# KiCad board SweetBusiness.kicad_pcb (continued)
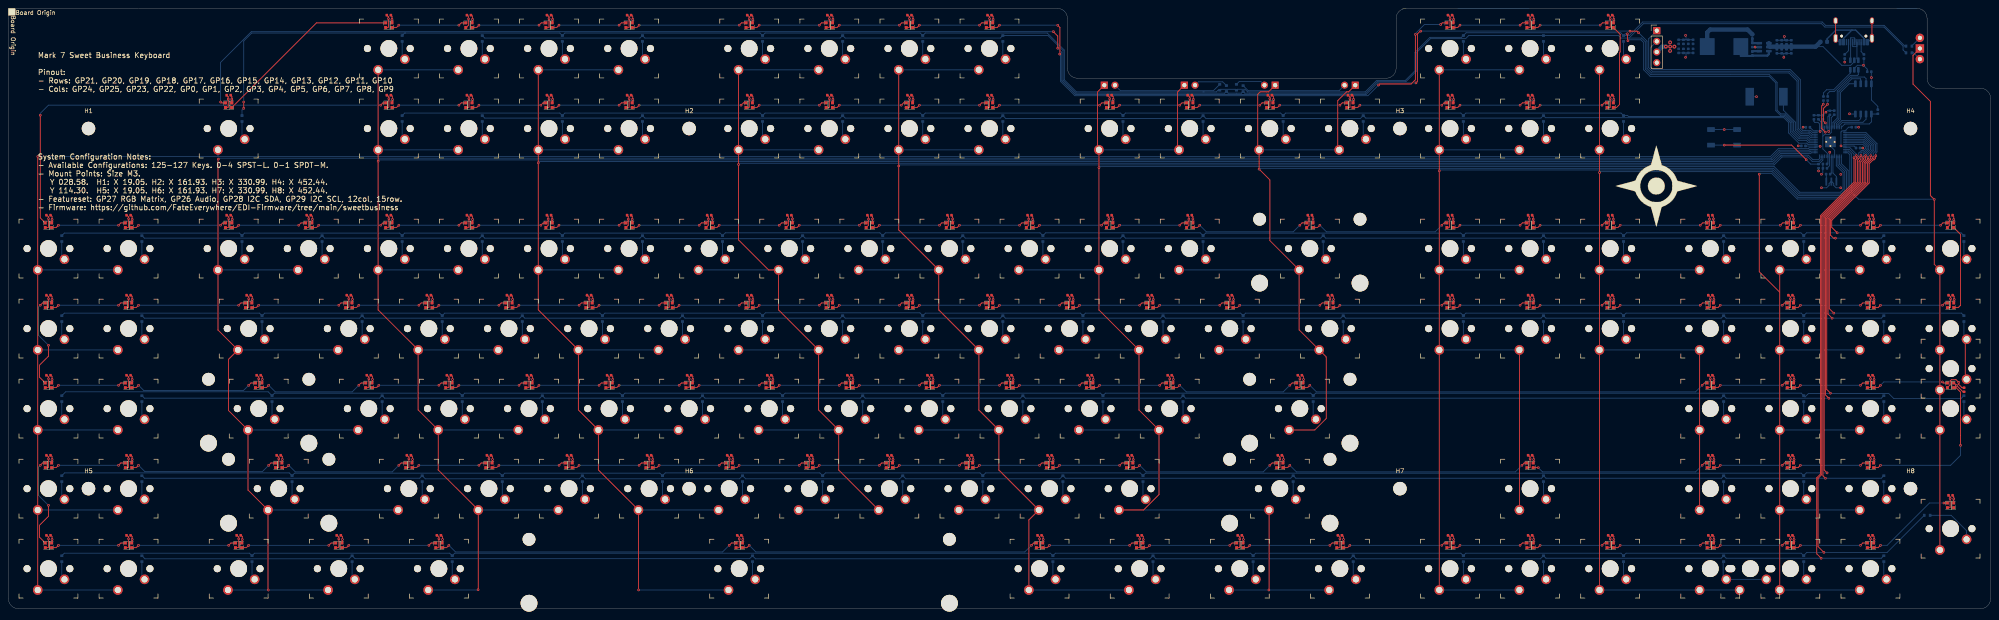
[diagram p0: board, top side]
## Placement (name value [footprint] x y rotation side) (continued)
LC96  100nF  [Passive_0402_1005Metric]  95.25 36.51 0 top
LC97  100nF  [Passive_0402_1005Metric]  114.3 36.51 0 top
LC98  100nF  [Passive_0402_1005Metric]  133.35 36.51 0 top
LC99  100nF  [Passive_0402_1005Metric]  152.4 36.51 0 top
LC100  100nF  [Passive_0402_1005Metric]  171.45 36.51 0 top
LC101  100nF  [Passive_0402_1005Metric]  190.5 36.51 0 top
LC102  100nF  [Passive_0402_1005Metric]  209.55 36.51 0 top
LC103  100nF  [Passive_0402_1005Metric]  228.6 36.51 0 top
LC104  100nF  [Passive_0402_1005Metric]  247.65 36.51 0 top
LC105  100nF  [Passive_0402_1005Metric]  266.7 36.51 0 top
LC106  100nF  [Passive_0402_1005Metric]  302.42 36.51 0 top
LC107  100nF  [Passive_0402_1005Metric]  361.95 36.51 0 top
LC108  100nF  [Passive_0402_1005Metric]  404.81 36.51 0 top
LC109  100nF  [Passive_0402_1005Metric]  423.86 36.51 0 top
LC110  100nF  [Passive_0402_1005Metric]  442.91 36.51 0 top
LC111  100nF  [Passive_0402_1005Metric]  9.53 17.46 180 top
LC112  100nF  [Passive_0402_1005Metric]  28.58 17.46 180 top
LC113  100nF  [Passive_0402_1005Metric]  54.77 17.46 180 top
LC114  100nF  [Passive_0402_1005Metric]  78.58 17.46 180 top
LC115  100nF  [Passive_0402_1005Metric]  102.39 17.46 180 top
LC116  100nF  [Passive_0402_1005Metric]  173.83 17.46 180 top
LC117  100nF  [Passive_0402_1005Metric]  245.27 17.46 180 top
LC118  100nF  [Passive_0402_1005Metric]  269.08 17.46 180 top
LC119  100nF  [Passive_0402_1005Metric]  292.89 17.46 180 top
LC120  100nF  [Passive_0402_1005Metric]  316.71 17.46 180 top
LC121  100nF  [Passive_0402_1005Metric]  342.9 17.46 180 top
LC122  100nF  [Passive_0402_1005Metric]  361.95 17.46 180 top
LC123  100nF  [Passive_0402_1005Metric]  381 17.46 180 top
LC124  100nF  [Passive_0402_1005Metric]  404.81 17.46 180 top
LC125  100nF  [Passive_0402_1005Metric]  423.86 17.46 180 top
LC126  100nF  [Passive_0402_1005Metric]  442.91 17.46 180 top
LC127  100nF  [Passive_0402_1005Metric]  461.96 26.99 180 top
LD1  WS2812C  [WS2812C_2020]  52.39 119.86 0 top
LD2  WS2812C  [WS2812C_2020]  90.49 138.91 0 top
LD3  WS2812C  [WS2812C_2020]  109.54 138.91 0 top
LD4  WS2812C  [WS2812C_2020]  128.59 138.91 0 top
LD5  WS2812C  [WS2812C_2020]  147.64 138.91 0 top
LD6  WS2812C  [WS2812C_2020]  176.21 138.91 0 top
LD7  WS2812C  [WS2812C_2020]  195.26 138.91 0 top
LD8  WS2812C  [WS2812C_2020]  214.31 138.91 0 top
LD9  WS2812C  [WS2812C_2020]  233.36 138.91 0 top
LD10  WS2812C  [WS2812C_2020]  342.9 138.91 0 top
LD11  WS2812C  [WS2812C_2020]  361.95 138.91 0 top
LD12  WS2812C  [WS2812C_2020]  381 138.91 0 top
LD13  WS2812C  [WS2812C_2020]  90.49 119.86 180 top
LD14  WS2812C  [WS2812C_2020]  109.54 119.86 180 top
LD15  WS2812C  [WS2812C_2020]  128.59 119.86 180 top
LD16  WS2812C  [WS2812C_2020]  147.64 119.86 180 top
LD17  WS2812C  [WS2812C_2020]  176.21 119.86 180 top
LD18  WS2812C  [WS2812C_2020]  195.26 119.86 180 top
LD19  WS2812C  [WS2812C_2020]  214.31 119.86 180 top
LD20  WS2812C  [WS2812C_2020]  233.36 119.86 180 top
LD21  WS2812C  [WS2812C_2020]  261.94 119.86 180 top
LD22  WS2812C  [WS2812C_2020]  280.99 119.86 180 top
LD23  WS2812C  [WS2812C_2020]  300.04 119.86 180 top
LD24  WS2812C  [WS2812C_2020]  319.09 119.86 180 top
LD25  WS2812C  [WS2812C_2020]  342.9 119.86 180 top
LD26  WS2812C  [WS2812C_2020]  361.95 119.86 180 top
LD27  WS2812C  [WS2812C_2020]  381 119.86 180 top
LD28  WS2812C  [WS2812C_2020]  9.53 91.28 0 top
LD29  WS2812C  [WS2812C_2020]  28.58 91.28 0 top
LD30  WS2812C  [WS2812C_2020]  52.39 91.28 0 top
LD31  WS2812C  [WS2812C_2020]  71.44 91.28 0 top
LD32  WS2812C  [WS2812C_2020]  90.49 91.28 0 top
LD33  WS2812C  [WS2812C_2020]  109.54 91.28 0 top
LD34  WS2812C  [WS2812C_2020]  128.59 91.28 0 top
LD35  WS2812C  [WS2812C_2020]  147.64 91.28 0 top
LD36  WS2812C  [WS2812C_2020]  166.69 91.28 0 top
LD37  WS2812C  [WS2812C_2020]  185.74 91.28 0 top
LD38  WS2812C  [WS2812C_2020]  204.79 91.28 0 top
LD39  WS2812C  [WS2812C_2020]  223.84 91.28 0 top
LD40  WS2812C  [WS2812C_2020]  242.89 91.28 0 top
LD41  WS2812C  [WS2812C_2020]  261.94 91.28 0 top
LD42  WS2812C  [WS2812C_2020]  280.99 91.28 0 top
LD43  WS2812C  [WS2812C_2020]  309.56 91.28 0 top
LD44  WS2812C  [WS2812C_2020]  342.9 91.28 0 top
LD45  WS2812C  [WS2812C_2020]  361.95 91.28 0 top
LD46  WS2812C  [WS2812C_2020]  381 91.28 0 top
LD47  WS2812C  [WS2812C_2020]  404.81 91.28 0 top
LD48  WS2812C  [WS2812C_2020]  423.86 91.28 0 top
LD49  WS2812C  [WS2812C_2020]  442.91 91.28 0 top
LD50  WS2812C  [WS2812C_2020]  461.96 91.28 0 top
LD51  WS2812C  [WS2812C_2020]  9.53 72.23 180 top
LD52  WS2812C  [WS2812C_2020]  28.58 72.23 180 top
LD53  WS2812C  [WS2812C_2020]  57.15 72.23 180 top
LD54  WS2812C  [WS2812C_2020]  80.96 72.23 180 top
LD55  WS2812C  [WS2812C_2020]  100.01 72.23 180 top
LD56  WS2812C  [WS2812C_2020]  119.06 72.23 180 top
LD57  WS2812C  [WS2812C_2020]  138.11 72.23 180 top
LD58  WS2812C  [WS2812C_2020]  157.16 72.23 180 top
LD59  WS2812C  [WS2812C_2020]  176.21 72.23 180 top
LD60  WS2812C  [WS2812C_2020]  195.26 72.23 180 top
LD61  WS2812C  [WS2812C_2020]  214.31 72.23 180 top
LD62  WS2812C  [WS2812C_2020]  233.36 72.23 180 top
LD63  WS2812C  [WS2812C_2020]  252.41 72.23 180 top
LD64  WS2812C  [WS2812C_2020]  271.46 72.23 180 top
LD65  WS2812C  [WS2812C_2020]  290.51 72.23 180 top
LD66  WS2812C  [WS2812C_2020]  314.32 72.23 180 top
LD67  WS2812C  [WS2812C_2020]  342.9 72.23 180 top
LD68  WS2812C  [WS2812C_2020]  361.95 72.23 180 top
LD69  WS2812C  [WS2812C_2020]  381 72.23 180 top
LD70  WS2812C  [WS2812C_2020]  404.81 72.23 180 top
LD71  WS2812C  [WS2812C_2020]  423.86 72.23 180 top
LD72  WS2812C  [WS2812C_2020]  442.91 72.23 180 top
LD73  WS2812C  [WS2812C_2020]  461.96 72.23 180 top
LD74  WS2812C  [WS2812C_2020]  9.53 53.18 0 top
LD75  WS2812C  [WS2812C_2020]  28.58 53.18 0 top
LD76  WS2812C  [WS2812C_2020]  59.53 53.18 0 top
LD77  WS2812C  [WS2812C_2020]  85.72 53.18 0 top
LD78  WS2812C  [WS2812C_2020]  104.78 53.18 0 top
LD79  WS2812C  [WS2812C_2020]  123.82 53.18 0 top
LD80  WS2812C  [WS2812C_2020]  142.88 53.18 0 top
LD81  WS2812C  [WS2812C_2020]  161.93 53.18 0 top
LD82  WS2812C  [WS2812C_2020]  180.97 53.18 0 top
LD83  WS2812C  [WS2812C_2020]  200.02 53.18 0 top
LD84  WS2812C  [WS2812C_2020]  219.07 53.18 0 top
LD85  WS2812C  [WS2812C_2020]  238.12 53.18 0 top
LD86  WS2812C  [WS2812C_2020]  257.18 53.18 0 top
LD87  WS2812C  [WS2812C_2020]  276.23 53.18 0 top
LD88  WS2812C  [WS2812C_2020]  307.18 53.18 0 top
LD89  WS2812C  [WS2812C_2020]  404.81 53.18 0 top
LD90  WS2812C  [WS2812C_2020]  423.86 53.18 0 top
LD91  WS2812C  [WS2812C_2020]  442.91 53.18 0 top
LD92  WS2812C  [WS2812C_2020]  461.96 53.18 0 top
LD93  WS2812C  [WS2812C_2020]  9.53 34.13 180 top
LD94  WS2812C  [WS2812C_2020]  28.58 34.13 180 top
LD95  WS2812C  [WS2812C_2020]  64.29 34.13 180 top
LD96  WS2812C  [WS2812C_2020]  95.25 34.13 180 top
LD97  WS2812C  [WS2812C_2020]  114.3 34.13 180 top
LD98  WS2812C  [WS2812C_2020]  133.35 34.13 180 top
LD99  WS2812C  [WS2812C_2020]  152.4 34.13 180 top
LD100  WS2812C  [WS2812C_2020]  171.45 34.13 180 top
LD101  WS2812C  [WS2812C_2020]  190.5 34.13 180 top
LD102  WS2812C  [WS2812C_2020]  209.55 34.13 180 top
LD103  WS2812C  [WS2812C_2020]  228.6 34.13 180 top
LD104  WS2812C  [WS2812C_2020]  247.65 34.13 180 top
LD105  WS2812C  [WS2812C_2020]  266.7 34.13 180 top
LD106  WS2812C  [WS2812C_2020]  302.42 34.13 180 top
LD107  WS2812C  [WS2812C_2020]  361.95 34.13 180 top
LD108  WS2812C  [WS2812C_2020]  404.81 34.13 180 top
LD109  WS2812C  [WS2812C_2020]  423.86 34.13 180 top
LD110  WS2812C  [WS2812C_2020]  442.91 34.13 180 top
LD111  WS2812C  [WS2812C_2020]  9.53 15.08 0 top
LD112  WS2812C  [WS2812C_2020]  28.58 15.08 0 top
LD113  WS2812C  [WS2812C_2020]  54.77 15.08 0 top
LD114  WS2812C  [WS2812C_2020]  78.58 15.08 0 top
LD115  WS2812C  [WS2812C_2020]  102.39 15.08 0 top
LD116  WS2812C  [WS2812C_2020]  173.83 15.08 0 top
LD117  WS2812C  [WS2812C_2020]  245.27 15.08 0 top
LD118  WS2812C  [WS2812C_2020]  269.08 15.08 0 top
LD119  WS2812C  [WS2812C_2020]  292.89 15.08 0 top
LD120  WS2812C  [WS2812C_2020]  316.71 15.08 0 top
LD121  WS2812C  [WS2812C_2020]  342.9 15.08 0 top
LD122  WS2812C  [WS2812C_2020]  361.95 15.08 0 top
LD123  WS2812C  [WS2812C_2020]  381 15.08 0 top
LD124  WS2812C  [WS2812C_2020]  404.81 15.08 0 top
LD125  WS2812C  [WS2812C_2020]  423.86 15.08 0 top
LD126  WS2812C  [WS2812C_2020]  442.91 15.08 0 top
LD127  WS2812C  [WS2812C_2020]  461.96 24.61 0 top
LP1  10uH  [L_Wuerth_HCI-1040]  408.08 133.79 180 bottom
RC1  5k1  [Passive_0402_1005Metric]  441.36 131.45 90 bottom
RC2  5k1  [Passive_0402_1005Metric]  436.78 131.45 270 bottom
RD1  27  [Passive_0402_1005Metric]  432.75 121.44 270 bottom
RD2  27  [Passive_0402_1005Metric]  431.73 121.44 270 bottom
REF**  -  [OSHW-Symbol_13.4x12mm_SilkScreen]  345.28 100.81 180 bottom
RF1  1k  [Passive_0402_1005Metric]  444.66 118.3 90 bottom
RP1  100K  [Passive_0402_1005Metric]  414.81 136.21 270 bottom
RP2  22.1K  [Passive_0402_1005Metric]  414.81 134.18 270 bottom
RR1  1k  [Passive_0402_1005Metric]  430.56 105.35 90 bottom
RX2  1k  [Passive_0402_1005Metric]  432.85 103.44 180 bottom
S2  RESET  [SW_SPST_SKQG_WithoutStem]  408.08 112.2 180 bottom
STB0  -  [Stabilizer_Cherry_MX_2.00u]  59.53 47.62 0 top
STB1  -  [Stabilizer_Cherry_MX_2.00u]  64.29 28.58 0 top
STB2  -  [Stabilizer_Cherry_MX_2.00u]  309.56 85.73 0 top
STB3  -  [Stabilizer_Cherry_MX_2.00u]  307.18 47.62 0 top
STB4  -  [Stabilizer_Cherry_MX_2.00u]  302.42 28.58 0 top
STB6  -  [Stabilizer_Cherry_MX_6.25u]  173.83 9.53 0 top
SWA1  SW_SPDT  [KeyToggle-SPDT]  460.16 133.35 180 top
TX0  Transducer  [Buzzer_CUI_CPT-9019S-SMT]  418.2 121.88 180 bottom
U0  RP2040  [QFN-56-RP2040]  433.39 111.12 180 bottom
U1  MT2492  [SOT-23-6]  417.61 133.67 0 bottom
U2  W25Q128JVS  [SOIC-8_5.23x5.23mm_P1.27mm]  441.23 121.35 90 bottom
U3  USBLC6-2SC6  [SOT-23-6]  439.07 129.41 90 bottom
Y0  CSTCE12M0G55-R0  [Resonator_SMD_Murata_CSTxExxV-3Pin_3.0x1.1mm]  433.61 101.66 180 bottom

## Library data of the parts
C1-C7 C10 C11 CF1 = -: LCSC: C1525; Field5: REF**
C8 C9 = -: LCSC: C52923; Field5: REF**
CP1 = -: LCSC: C1525
CP2-CP17 = -: LCSC: C415703
D1-D127 DA1 DA2 DT1-DT4 = -: LCSC: C2802290
F1 = -: LCSC: C207011
H1-H8 = -: Description: Mounting Hole without connection
J2 = -: Description: Generic connector, single row, 01x04, script generated (kicad-library-utils/schlib/autogen/connector/)
J4 = -: LCSC: C167321
LC1-LC127 = -: LCSC: C307331; Field5: REF**
LD1-LD127 = -: Description: RGB LED with integrated controller; LCSC: C965556
LP1 = -: Description: Inductor; LCSC: C5189958
RC1 RC2 RF1 RR1 RX2 = -: LCSC: C25905; Field5: REF**
RD1 RD2 = -: LCSC: C413051; Field5: REF**
RP1 = -: LCSC: C25741
RP2 = -: LCSC: C43473
S2 = -: LCSC: C139779
SWA1 = -: Description: Switch, single pole double throw
TX0 = -: LCSC: C391035
U0 = -: LCSC: C2040
U1 = -: LCSC: C89358
U2 = -: Description: 128Mb Serial Flash Memory, Standard/Dual/Quad SPI, SOIC-8; LCSC: C97521
U3 = -: Description: Very low capacitance ESD protection diode, 2 data-line, SOT-23-6; LCSC: C2827654
Y0 = -: Description: Three pin crystal, GND on pin 2, small symbol; LCSC: C91581

## Footprints (pads in the part's own frame, mm; a bottom-side part is the same pattern mirrored in y, then rotated)
Buzzer_CUI_CPT-9019S-SMT
  rect 2x4.2 smd: 1(-4,0) 2(4,0)
D_SOD-523
  rect 0.6x0.7 smd: 1(-0.7,0) 2(0.7,0)
Fuse_0603_1608Metric
  rrect 0.875x0.95 smd: 1(-0.787,0) 2(0.787,0)
KeyToggle-SPDT
  round 2 hole 1: 1(5.492,-2.54) 3(5.492,2.54)
  rect 2x2 hole 1: 2(5.492,0)
L_Wuerth_HCI-1040
  rect 3.5x4 smd: 1(-4,0) 2(4,0)
MountingHole_3.2mm_M3
  round 3.2 hole 3.2 unplated: (0,0)
Passive_0402_1005Metric
  rrect 0.59x0.64 smd: 1(-0.485,0) 2(0.485,0)
PinHeader_1x02_P2.54mm_Vertical
  rect 1.7x1.7 hole 1: 1(0,0)
  oval 1.7x1.7 hole 1: 2(0,-2.54)
PinHeader_1x04_P2.54mm_Vertical
  rect 1.7x1.7 hole 1: 1(0,0)
  oval 1.7x1.7 hole 1: 2(0,-2.54) 3(0,-5.08) 4(0,-7.62)
QFN-56-RP2040
  rrect 1.084x1.084 smd: (-0.637,-0.637) (-0.637,0.637) (0.637,-0.637) (0.637,0.637)
  rrect 0.875x0.2 smd: 1(-3.438,2.6) 2(-3.438,2.2) 3(-3.438,1.8) 4(-3.438,1.4) 5(-3.438,1) 6(-3.438,0.6) 7(-3.438,0.2) 8(-3.438,-0.2) 9(-3.438,-0.6) 10(-3.438,-1) 11(-3.438,-1.4) 12(-3.438,-1.8) 13(-3.438,-2.2) 14(-3.438,-2.6) 29(3.438,-2.6) 30(3.438,-2.2) 31(3.438,-1.8) 32(3.438,-1.4) 33(3.438,-1) 34(3.438,-0.6) 35(3.438,-0.2) 36(3.438,0.2) 37(3.438,0.6) 38(3.438,1) 39(3.438,1.4) 40(3.438,1.8) 41(3.438,2.2) 42(3.438,2.6)
  rrect 0.2x0.875 smd: 15(-2.6,-3.438) 16(-2.2,-3.438) 17(-1.8,-3.438) 18(-1.4,-3.438) 19(-1,-3.438) 20(-0.6,-3.438) 21(-0.2,-3.438) 22(0.2,-3.438) 23(0.6,-3.438) 24(1,-3.438) 25(1.4,-3.438) 26(1.8,-3.438) 27(2.2,-3.438) 28(2.6,-3.438) 43(2.6,3.438) 44(2.2,3.438) 45(1.8,3.438) 46(1.4,3.438) 47(1,3.438) 48(0.6,3.438) 49(0.2,3.438) 50(-0.2,3.438) 51(-0.6,3.438) 52(-1,3.438) 53(-1.4,3.438) 54(-1.8,3.438) 55(-2.2,3.438) 56(-2.6,3.438)
  round 0.5 hole 0.3: 57(-1,0) 57(0,-1) 57(0,1) 57(1,0)
  rect 2.55x2.55 smd: 57(0,0)
Resonator_SMD_Murata_CSTxExxV-3Pin_3.0x1.1mm
  rect 0.4x1.9 smd: 1(-1.2,0) 2(0,0) 3(1.2,0)
SOIC-8_5.23x5.23mm_P1.27mm
  rrect 1.6x0.6 smd: 1(-3.6,1.905) 2(-3.6,0.635) 3(-3.6,-0.635) 4(-3.6,-1.905) 5(3.6,-1.905) 6(3.6,-0.635) 7(3.6,0.635) 8(3.6,1.905)
SOT-23-6
  rrect 1.325x0.6 smd: 1(-1.137,0.95) 2(-1.137,0) 3(-1.137,-0.95) 4(1.137,-0.95) 5(1.137,0) 6(1.137,0.95)
Stabilizer_Cherry_MX_2.00u
  round 3.048 hole 3.048 unplated: (-11.938,6.985) (11.938,6.985)
  round 3.988 hole 3.988 unplated: (-11.938,-8.225) (11.938,-8.225)
Stabilizer_Cherry_MX_6.25u
  round 3.048 hole 3.048 unplated: (-50,6.985) (50,6.985)
  round 3.988 hole 3.988 unplated: (-50,-8.225) (50,-8.225)
SW_MX
  round 1.702 hole 1.702 unplated: (-5.08,0) (5.08,0)
  round 3.988 hole 3.988 unplated: (0,0)
  round 2.286 hole 1.499: 1(2.54,5.08) 2(-3.81,2.54)
SW_MX#2
  round 1.702 hole 1.702 unplated: (-5.08,0)
  round 3.988 hole 3.988 unplated: (0,0)
  round 2.286 hole 1.499: 1(2.54,5.08) 2(-3.81,2.54)
SW_MX#3
  oval 2.337x1.702 hole 2.337x1.702 unplated: (-4.762,0) (4.75,-0.01)
  round 3.988 hole 3.988 unplated: (0,0)
  round 2.286 hole 1.499: 1(2.54,5.08) 2(-3.81,2.54)
SW_MX#4
  round 3.988 hole 3.988 unplated: (0,0)
  round 1.702 hole 1.702 unplated: (5.08,0)
  round 2.286 hole 1.499: 1(2.54,5.08) 2(-3.81,2.54)
SW_SPST_SKQG_WithoutStem
  rect 1.8x1.1 smd: 1(-3.1,1.85) 1(3.1,1.85) 2(-3.1,-1.85) 2(3.1,-1.85)
USB_C_Receptacle_HRO_TYPE-C-31-M-12
  round 0.65 hole 0.65 unplated: (-2.89,2.6) (2.89,2.6)
  rect 0.6x1.45 smd: A1(-3.25,4.045) A4(-2.45,4.045) A9(2.45,4.045) A12(3.25,4.045) B1(3.25,4.045) B4(2.45,4.045) B9(-2.45,4.045) B12(-3.25,4.045)
  rect 0.3x1.45 smd: A5(-1.25,4.045) A6(-0.25,4.045) A7(0.25,4.045) A8(1.25,4.045) B5(1.75,4.045) B6(0.75,4.045) B7(-0.75,4.045) B8(-1.75,4.045)
  oval 1x1.6 hole 0.6x1.2: S1(-4.32,-1.05) S1(4.32,-1.05)
  oval 1x2.1 hole 0.6x1.7: S1(-4.32,3.13) S1(4.32,3.13)
WS2812C_2020
  rect 0.7x0.7 smd: 1(0.75,-0.55) 2(0.75,0.55) 3(-0.75,0.55) 4(-0.75,-0.55)

## Nets
+1V1: C9.1 C10.1 C11.1 U0.23 U0.45 U0.50
+3V3: C1.1 C2.1 C3.1 C4.1 C5.1 C6.1 C7.1 C8.1 CF1.1 CP10.1 CP11.1 CP12.1 CP13.1 CP14.1 CP15.1 CP16.1 CP17.1 J2.3 LC1.2 LC2.2 LC3.2 LC4.2 LC5.2 LC6.2 LC7.2 LC8.2 LC9.2 LC10.2 LC11.2 LC12.2 LC13.2 LC14.2 LC15.2 LC16.2 LC17.2 LC18.2 LC19.2 LC20.2 LC21.2 LC22.2 LC23.2 LC24.2 LC25.2 LC26.2 LC27.2 LC28.2 LC29.2 LC30.2 LC31.2 LC32.2 LC33.2 LC34.2 LC35.2 LC36.2 LC37.2 LC38.2 LC39.2 LC40.2 LC41.2 LC42.2 LC43.2 LC44.2 LC45.2 LC46.2 LC47.2 LC48.2 LC49.2 LC50.2 LC51.2 LC52.2 LC53.2 LC54.2 LC55.2 LC56.2 LC57.2 LC58.2 LC59.2 LC60.2 LC61.2 LC62.2 LC63.2 LC64.2 LC65.2 LC66.2 LC67.2 LC68.2 LC69.2 LC70.2 LC71.2 LC72.2 LC73.2 LC74.2 LC75.2 LC76.2 LC77.2 LC78.2 LC79.2 LC80.2 LC81.2 LC82.2 LC83.2 LC84.2 LC85.2 LC86.2 LC87.2 LC88.2 LC89.2 LC90.2 LC91.2 LC92.2 LC93.2 LC94.2 LC95.2 LC96.2 LC97.2 LC98.2 LC99.2 LC100.2 LC101.2 LC102.2 LC103.2 LC104.2 LC105.2 LC106.2 LC107.2 LC108.2 LC109.2 LC110.2 LC111.2 LC112.2 LC113.2 LC114.2 LC115.2 LC116.2 LC117.2 LC118.2 LC119.2 LC120.2 LC121.2 LC122.2 LC123.2 LC124.2 LC125.2 LC126.2 LC127.2 LD1.4 LD2.4 LD3.4 LD4.4 LD5.4 LD6.4 LD7.4 LD8.4 LD9.4 LD10.4 LD11.4 LD12.4 LD13.4 LD14.4 LD15.4 LD16.4 LD17.4 LD18.4 LD19.4 LD20.4 LD21.4 LD22.4 LD23.4 LD24.4 LD25.4 LD26.4 LD27.4 LD28.4 LD29.4 LD30.4 LD31.4 LD32.4 LD33.4 LD34.4 LD35.4 LD36.4 LD37.4 LD38.4 LD39.4 LD40.4 LD41.4 LD42.4 LD43.4 LD44.4 LD45.4 LD46.4 LD47.4 LD48.4 LD49.4 LD50.4 LD51.4 LD52.4 LD53.4 LD54.4 LD55.4 LD56.4 LD57.4 LD58.4 LD59.4 LD60.4 LD61.4 LD62.4 LD63.4 LD64.4 LD65.4 LD66.4 LD67.4 LD68.4 LD69.4 LD70.4 LD71.4 LD72.4 LD73.4 LD74.4 LD75.4 LD76.4 LD77.4 LD78.4 LD79.4 LD80.4 LD81.4 LD82.4 LD83.4 LD84.4 LD85.4 LD86.4 LD87.4 LD88.4 LD89.4 LD90.4 LD91.4 LD92.4 LD93.4 LD94.4 LD95.4 LD96.4 LD97.4 LD98.4 LD99.4 LD100.4 LD101.4 LD102.4 LD103.4 LD104.4 LD105.4 LD106.4 LD107.4 LD108.4 LD109.4 LD110.4 LD111.4 LD112.4 LD113.4 LD114.4 LD115.4 LD116.4 LD117.4 LD118.4 LD119.4 LD120.4 LD121.4 LD122.4 LD123.4 LD124.4 LD125.4 LD126.4 LD127.4 LP1.2 RF1.2 RP1.1 RR1.1 U0.1 U0.10 U0.22 U0.33 U0.42 U0.43 U0.44 U0.48 U0.49 U2.8
+5v: F1.1 J4.A4 J4.A9 J4.B4 J4.B9
GND: C1.2 C2.2 C3.2 C4.2 C5.2 C6.2 C7.2 C8.2 C9.2 C10.2 C11.2 CF1.2 CP2.1 CP3.1 CP4.1 CP5.1 CP6.1 CP7.1 CP8.1 CP9.1 CP10.2 CP11.2 CP12.2 CP13.2 CP14.2 CP15.2 CP16.2 CP17.2 J2.4 J4.A1 J4.A12 J4.B1 J4.B12 J4.S1 LC1.1 LC2.1 LC3.1 LC4.1 LC5.1 LC6.1 LC7.1 LC8.1 LC9.1 LC10.1 LC11.1 LC12.1 LC13.1 LC14.1 LC15.1 LC16.1 LC17.1 LC18.1 LC19.1 LC20.1 LC21.1 LC22.1 LC23.1 LC24.1 LC25.1 LC26.1 LC27.1 LC28.1 LC29.1 LC30.1 LC31.1 LC32.1 LC33.1 LC34.1 LC35.1 LC36.1 LC37.1 LC38.1 LC39.1 LC40.1 LC41.1 LC42.1 LC43.1 LC44.1 LC45.1 LC46.1 LC47.1 LC48.1 LC49.1 LC50.1 LC51.1 LC52.1 LC53.1 LC54.1 LC55.1 LC56.1 LC57.1 LC58.1 LC59.1 LC60.1 LC61.1 LC62.1 LC63.1 LC64.1 LC65.1 LC66.1 LC67.1 LC68.1 LC69.1 LC70.1 LC71.1 LC72.1 LC73.1 LC74.1 LC75.1 LC76.1 LC77.1 LC78.1 LC79.1 LC80.1 LC81.1 LC82.1 LC83.1 LC84.1 LC85.1 LC86.1 LC87.1 LC88.1 LC89.1 LC90.1 LC91.1 LC92.1 LC93.1 LC94.1 LC95.1 LC96.1 LC97.1 LC98.1 LC99.1 LC100.1 LC101.1 LC102.1 LC103.1 LC104.1 LC105.1 LC106.1 LC107.1 LC108.1 LC109.1 LC110.1 LC111.1 LC112.1 LC113.1 LC114.1 LC115.1 LC116.1 LC117.1 LC118.1 LC119.1 LC120.1 LC121.1 LC122.1 LC123.1 LC124.1 LC125.1 LC126.1 LC127.1 LD1.2 LD2.2 LD3.2 LD4.2 LD5.2 LD6.2 LD7.2 LD8.2 LD9.2 LD10.2 LD11.2 LD12.2 LD13.2 LD14.2 LD15.2 LD16.2 LD17.2 LD18.2 LD19.2 LD20.2 LD21.2 LD22.2 LD23.2 LD24.2 LD25.2 LD26.2 LD27.2 LD28.2 LD29.2 LD30.2 LD31.2 LD32.2 LD33.2 LD34.2 LD35.2 LD36.2 LD37.2 LD38.2 LD39.2 LD40.2 LD41.2 LD42.2 LD43.2 LD44.2 LD45.2 LD46.2 LD47.2 LD48.2 LD49.2 LD50.2 LD51.2 LD52.2 LD53.2 LD54.2 LD55.2 LD56.2 LD57.2 LD58.2 LD59.2 LD60.2 LD61.2 LD62.2 LD63.2 LD64.2 LD65.2 LD66.2 LD67.2 LD68.2 LD69.2 LD70.2 LD71.2 LD72.2 LD73.2 LD74.2 LD75.2 LD76.2 LD77.2 LD78.2 LD79.2 LD80.2 LD81.2 LD82.2 LD83.2 LD84.2 LD85.2 LD86.2 LD87.2 LD88.2 LD89.2 LD90.2 LD91.2 LD92.2 LD93.2 LD94.2 LD95.2 LD96.2 LD97.2 LD98.2 LD99.2 LD100.2 LD101.2 LD102.2 LD103.2 LD104.2 LD105.2 LD106.2 LD107.2 LD108.2 LD109.2 LD110.2 LD111.2 LD112.2 LD113.2 LD114.2 LD115.2 LD116.2 LD117.2 LD118.2 LD119.2 LD120.2 LD121.2 LD122.2 LD123.2 LD124.2 LD125.2 LD126.2 LD127.2 RC1.1 RC2.2 RP2.2 S2.1 TX0.2 U0.19 U0.57 U1.2 U2.4 U3.2 Y0.2
VBUS: CP2.2 CP3.2 CP4.2 CP5.2 CP6.2 CP7.2 CP8.2 CP9.2 F1.2 U1.4 U1.5 U3.5
0: D28.1 D30.1 D32.1 D34.1 D36.1 D38.1 D40.1 D42.1 D44.1 D46.1 D48.1 D50.1 U0.2
1: D29.1 D31.1 D33.1 D35.1 D37.1 D39.1 D41.1 D43.1 D45.1 D47.1 D49.1 U0.3
2: D51.1 D53.1 D55.1 D57.1 D59.1 D61.1 D63.1 D65.1 D67.1 D69.1 D71.1 D73.1 U0.4
3: D52.1 D54.1 D56.1 D58.1 D60.1 D62.1 D64.1 D66.1 D68.1 D70.1 D72.1 U0.5
4: D74.1 D76.1 D78.1 D80.1 D82.1 D84.1 D86.1 D88.1 D90.1 D92.1 U0.6
5: D75.1 D77.1 D79.1 D81.1 D83.1 D85.1 D87.1 D89.1 D91.1 U0.7
6: D93.1 D95.1 D97.1 D99.1 D101.1 D103.1 D105.1 D109.1 U0.8
7: D94.1 D96.1 D98.1 D100.1 D102.1 D104.1 D106.1 D107.1 D108.1 D110.1 U0.9
8: D111.1 D113.1 D115.1 D117.1 D119.1 D121.1 D123.1 D125.1 D127.1 U0.11
9: D112.1 D114.1 D116.1 D118.1 D120.1 D122.1 D124.1 D126.1 U0.12
10: K50.1 K73.1 K73.2.1 K92.1 K127.1 SWA1.2 U0.13
11: K48.1 K49.1 K71.1 K72.1 K90.1 K91.1 K109.1 K110.1 K125.1 K126.1 U0.14
12: K12.1 K27.1 K46.1 K47.1 K69.1 K70.1 K89.1 K108.1 K123.1 K124.1 K124.2.1 U0.15
13: K10.1 K11.1 K25.1 K26.1 K44.1 K45.1 K67.1 K68.1 K107.1 K121.1 K122.1 U0.16
14: K23.1 K24.1 K42.1 K43.1 K65.1 K66.1 K88.1 KT3.1 KT4.1 U0.17
15: K21.1 K22.1 K40.1 K41.1 K63.1 K64.1 K86.1 K87.1 K105.1 K106.1 K119.1 K120.1 KT1.1 KT2.1 U0.18
16: K8.1 K9.1 K19.1 K20.1 K38.1 K39.1 K61.1 K62.1 K84.1 K85.1 K103.1 K104.1 K117.1 K118.1 U0.27
17: K6.1 K7.1 K17.1 K18.1 K36.1 K37.1 K59.1 K60.1 K82.1 K83.1 K101.1 K102.1 U0.28
18: K4.1 K5.1 K15.1 K16.1 K34.1 K35.1 K57.1 K58.1 K80.1 K81.1 K99.1 K100.1 K116.1 U0.29
19: K2.1 K3.1 K13.1 K14.1 K32.1 K33.1 K55.1 K56.1 K78.1 K79.1 K97.1 K98.1 K115.1 U0.30
20: K30.1 K31.1 K53.1 K54.1 K76.1 K77.1 K95.1 K96.1 K113.1 K114.1 U0.31
21: K1.1 K28.1 K29.1 K51.1 K52.1 K74.1 K75.1 K93.1 K94.1 K111.1 K112.1 U0.32
22: D14.1 D16.1 D18.1 D20.1 D22.1 D24.1 D26.1 U0.34
23: D13.1 D15.1 D17.1 D19.1 D21.1 D23.1 D25.1 D27.1 U0.35
24: D1.1 D2.1 D4.1 D6.1 D8.1 D10.1 D12.1 DA1.1 DT1.1 DT3.1 U0.36
25: D3.1 D5.1 D7.1 D9.1 D11.1 DA2.1 DT2.1 DT4.1 U0.37
26/A0: TX0.1 U0.38
27/A1: LD1.3 U0.39
28/A2: J2.1 U0.40
29/A3: J2.2 U0.41
CLOCK: U0.52 U2.6
CS: RF1.1 U0.56 U2.1
D+: J4.A6 J4.B6 U3.6
D-: J4.A7 J4.B7 U3.4
DB+: RD1.1 U3.1
DB-: RD2.1 U3.3
SD0: U0.53 U2.5
SD1: U0.55 U2.2
SD2: U0.54 U2.3
SD3: U0.51 U2.7
XIN: U0.20 Y0.1
XOUT: RX2.1 U0.21
~{RESET}: RR1.2 S2.2 U0.26
Net-(D1-A): D1.2 K1.2
Net-(D2-A): D2.2 K2.2
Net-(D3-A): D3.2 K3.2
Net-(D4-A): D4.2 K4.2
Net-(D5-A): D5.2 K5.2
Net-(D6-A): D6.2 K6.2
Net-(D7-A): D7.2 K7.2
Net-(D8-A): D8.2 K8.2
Net-(D9-A): D9.2 K9.2
Net-(D10-A): D10.2 K10.2
Net-(D11-A): D11.2 K11.2
Net-(D12-A): D12.2 K12.2
Net-(D13-A): D13.2 K13.2
Net-(D14-A): D14.2 K14.2
Net-(D15-A): D15.2 K15.2
Net-(D16-A): D16.2 K16.2
Net-(D17-A): D17.2 K17.2
Net-(D18-A): D18.2 K18.2
Net-(D19-A): D19.2 K19.2
Net-(D20-A): D20.2 K20.2
Net-(D21-A): D21.2 K21.2
Net-(D22-A): D22.2 K22.2
Net-(D23-A): D23.2 K23.2
Net-(D24-A): D24.2 K24.2
Net-(D25-A): D25.2 K25.2
Net-(D26-A): D26.2 K26.2
Net-(D27-A): D27.2 K27.2
Net-(D28-A): D28.2 K28.2
Net-(D29-A): D29.2 K29.2
Net-(D30-A): D30.2 K30.2
Net-(D31-A): D31.2 K31.2
Net-(D32-A): D32.2 K32.2
Net-(D33-A): D33.2 K33.2
Net-(D34-A): D34.2 K34.2
Net-(D35-A): D35.2 K35.2
Net-(D36-A): D36.2 K36.2
Net-(D37-A): D37.2 K37.2
Net-(D38-A): D38.2 K38.2
Net-(D39-A): D39.2 K39.2
Net-(D40-A): D40.2 K40.2
Net-(D41-A): D41.2 K41.2
Net-(D42-A): D42.2 K42.2
Net-(D43-A): D43.2 K43.2
Net-(D44-A): D44.2 K44.2
Net-(D45-A): D45.2 K45.2
Net-(D46-A): D46.2 K46.2
Net-(D47-A): D47.2 K47.2
Net-(D48-A): D48.2 K48.2
Net-(D49-A): D49.2 K49.2
Net-(D50-A): D50.2 K50.2
Net-(D51-A): D51.2 K51.2
Net-(D52-A): D52.2 K52.2
Net-(D53-A): D53.2 K53.2
Net-(D54-A): D54.2 K54.2
Net-(D55-A): D55.2 K55.2
Net-(D56-A): D56.2 K56.2
Net-(D57-A): D57.2 K57.2
Net-(D58-A): D58.2 K58.2
Net-(D59-A): D59.2 K59.2
Net-(D60-A): D60.2 K60.2
Net-(D61-A): D61.2 K61.2
Net-(D62-A): D62.2 K62.2
Net-(D63-A): D63.2 K63.2
Net-(D64-A): D64.2 K64.2
Net-(D65-A): D65.2 K65.2
Net-(D66-A): D66.2 K66.2
Net-(D67-A): D67.2 K67.2
Net-(D68-A): D68.2 K68.2
Net-(D69-A): D69.2 K69.2
Net-(D70-A): D70.2 K70.2
Net-(D71-A): D71.2 K71.2
Net-(D72-A): D72.2 K72.2
Net-(D73-A): D73.2 K73.2 K73.2.2
Net-(D74-A): D74.2 K74.2
Net-(D75-A): D75.2 K75.2
Net-(D76-A): D76.2 K76.2
Net-(D77-A): D77.2 K77.2
Net-(D78-A): D78.2 K78.2
Net-(D79-A): D79.2 K79.2
Net-(D80-A): D80.2 K80.2
Net-(D81-A): D81.2 K81.2
Net-(D82-A): D82.2 K82.2
Net-(D83-A): D83.2 K83.2
Net-(D84-A): D84.2 K84.2
Net-(D85-A): D85.2 K85.2
Net-(D86-A): D86.2 K86.2
Net-(D87-A): D87.2 K87.2
Net-(D88-A): D88.2 K88.2
Net-(D89-A): D89.2 K89.2
Net-(D90-A): D90.2 K90.2
Net-(D91-A): D91.2 K91.2
Net-(D92-A): D92.2 K92.2
Net-(D93-A): D93.2 K93.2
Net-(D94-A): D94.2 K94.2
Net-(D95-A): D95.2 K95.2
Net-(D96-A): D96.2 K96.2
Net-(D97-A): D97.2 K97.2
Net-(D98-A): D98.2 K98.2
Net-(D99-A): D99.2 K99.2
Net-(D100-A): D100.2 K100.2
Net-(D101-A): D101.2 K101.2
Net-(D102-A): D102.2 K102.2
Net-(D103-A): D103.2 K103.2
Net-(D104-A): D104.2 K104.2
Net-(D105-A): D105.2 K105.2
Net-(D106-A): D106.2 K106.2
Net-(D107-A): D107.2 K107.2
Net-(D108-A): D108.2 K108.2
Net-(D109-A): D109.2 K109.2
Net-(D110-A): D110.2 K110.2
Net-(D111-A): D111.2 K111.2
Net-(D112-A): D112.2 K112.2
Net-(D113-A): D113.2 K113.2
Net-(D114-A): D114.2 K114.2
Net-(D115-A): D115.2 K115.2
Net-(D116-A): D116.2 K116.2
Net-(D117-A): D117.2 K117.2
Net-(D118-A): D118.2 K118.2
Net-(D119-A): D119.2 K119.2
Net-(D120-A): D120.2 K120.2
Net-(D121-A): D121.2 K121.2
Net-(D122-A): D122.2 K122.2
Net-(D123-A): D123.2 K123.2
Net-(D124-A): D124.2 K124.2 K124.2.2
Net-(D125-A): D125.2 K125.2
Net-(D126-A): D126.2 K126.2
Net-(D127-A): D127.2 K127.2
Net-(DA1-A): DA1.2 SWA1.1
Net-(DA2-A): DA2.2 SWA1.3
Net-(DT1-A): DT1.2 KT1.2
Net-(DT2-A): DT2.2 KT2.2
Net-(DT3-A): DT3.2 KT3.2
Net-(DT4-A): DT4.2 KT4.2
Net-(J4-CC1): J4.A5 RC2.1
Net-(J4-CC2): J4.B5 RC1.2
Net-(LD1-DOUT): LD1.1 LD2.3
Net-(LD2-DOUT): LD2.1 LD3.3
Net-(LD3-DOUT): LD3.1 LD4.3
Net-(LD4-DOUT): LD4.1 LD5.3
Net-(LD5-DOUT): LD5.1 LD6.3
Net-(LD6-DOUT): LD6.1 LD7.3
Net-(LD7-DOUT): LD7.1 LD8.3
Net-(LD8-DOUT): LD8.1 LD9.3
Net-(LD10-DIN): LD9.1 LD10.3
Net-(LD10-DOUT): LD10.1 LD11.3
Net-(LD11-DOUT): LD11.1 LD12.3
Net-(LD12-DOUT): LD12.1 LD27.3
Net-(LD13-DIN): LD13.3 LD14.1
Net-(LD13-DOUT): LD13.1 LD28.3
Net-(LD14-DIN): LD14.3 LD15.1
Net-(LD15-DIN): LD15.3 LD16.1
Net-(LD16-DIN): LD16.3 LD17.1
Net-(LD17-DIN): LD17.3 LD18.1
Net-(LD18-DIN): LD18.3 LD19.1
Net-(LD19-DIN): LD19.3 LD20.1
Net-(LD20-DIN): LD20.3 LD21.1
Net-(LD21-DIN): LD21.3 LD22.1
Net-(LD22-DIN): LD22.3 LD23.1
Net-(LD23-DIN): LD23.3 LD24.1
Net-(LD24-DIN): LD24.3 LD25.1
Net-(LD25-DIN): LD25.3 LD26.1
Net-(LD26-DIN): LD26.3 LD27.1
Net-(LD28-DOUT): LD28.1 LD29.3
Net-(LD29-DOUT): LD29.1 LD30.3
Net-(LD30-DOUT): LD30.1 LD31.3
Net-(LD31-DOUT): LD31.1 LD32.3
Net-(LD32-DOUT): LD32.1 LD33.3
Net-(LD33-DOUT): LD33.1 LD34.3
Net-(LD34-DOUT): LD34.1 LD35.3
Net-(LD35-DOUT): LD35.1 LD36.3
Net-(LD36-DOUT): LD36.1 LD37.3
Net-(LD37-DOUT): LD37.1 LD38.3
Net-(LD38-DOUT): LD38.1 LD39.3
Net-(LD39-DOUT): LD39.1 LD40.3
Net-(LD40-DOUT): LD40.1 LD41.3
Net-(LD41-DOUT): LD41.1 LD42.3
Net-(LD42-DOUT): LD42.1 LD43.3
Net-(LD43-DOUT): LD43.1 LD44.3
Net-(LD44-DOUT): LD44.1 LD45.3
Net-(LD45-DOUT): LD45.1 LD46.3
Net-(LD46-DOUT): LD46.1 LD47.3
Net-(LD47-DOUT): LD47.1 LD48.3
Net-(LD48-DOUT): LD48.1 LD49.3
Net-(LD49-DOUT): LD49.1 LD50.3
Net-(LD50-DOUT): LD50.1 LD73.3
Net-(LD51-DIN): LD51.3 LD52.1
Net-(LD51-DOUT): LD51.1 LD74.3
Net-(LD52-DIN): LD52.3 LD53.1
Net-(LD53-DIN): LD53.3 LD54.1
Net-(LD54-DIN): LD54.3 LD55.1
Net-(LD55-DIN): LD55.3 LD56.1
Net-(LD56-DIN): LD56.3 LD57.1
Net-(LD57-DIN): LD57.3 LD58.1
Net-(LD58-DIN): LD58.3 LD59.1
Net-(LD59-DIN): LD59.3 LD60.1
Net-(LD60-DIN): LD60.3 LD61.1
Net-(LD61-DIN): LD61.3 LD62.1
Net-(LD62-DIN): LD62.3 LD63.1
Net-(LD63-DIN): LD63.3 LD64.1
Net-(LD64-DIN): LD64.3 LD65.1
Net-(LD65-DIN): LD65.3 LD66.1
Net-(LD66-DIN): LD66.3 LD67.1
Net-(LD67-DIN): LD67.3 LD68.1
Net-(LD68-DIN): LD68.3 LD69.1
Net-(LD69-DIN): LD69.3 LD70.1
Net-(LD70-DIN): LD70.3 LD71.1
Net-(LD71-DIN): LD71.3 LD72.1
Net-(LD72-DIN): LD72.3 LD73.1
Net-(LD74-DOUT): LD74.1 LD75.3
Net-(LD75-DOUT): LD75.1 LD76.3
Net-(LD76-DOUT): LD76.1 LD77.3
Net-(LD77-DOUT): LD77.1 LD78.3
Net-(LD78-DOUT): LD78.1 LD79.3
Net-(LD79-DOUT): LD79.1 LD80.3
Net-(LD80-DOUT): LD80.1 LD81.3
Net-(LD81-DOUT): LD81.1 LD82.3
Net-(LD82-DOUT): LD82.1 LD83.3
Net-(LD83-DOUT): LD83.1 LD84.3
Net-(LD84-DOUT): LD84.1 LD85.3
Net-(LD85-DOUT): LD85.1 LD86.3
Net-(LD86-DOUT): LD86.1 LD87.3
